# Altium PCB display.PcbDoc (part 2 of 5) (continued)
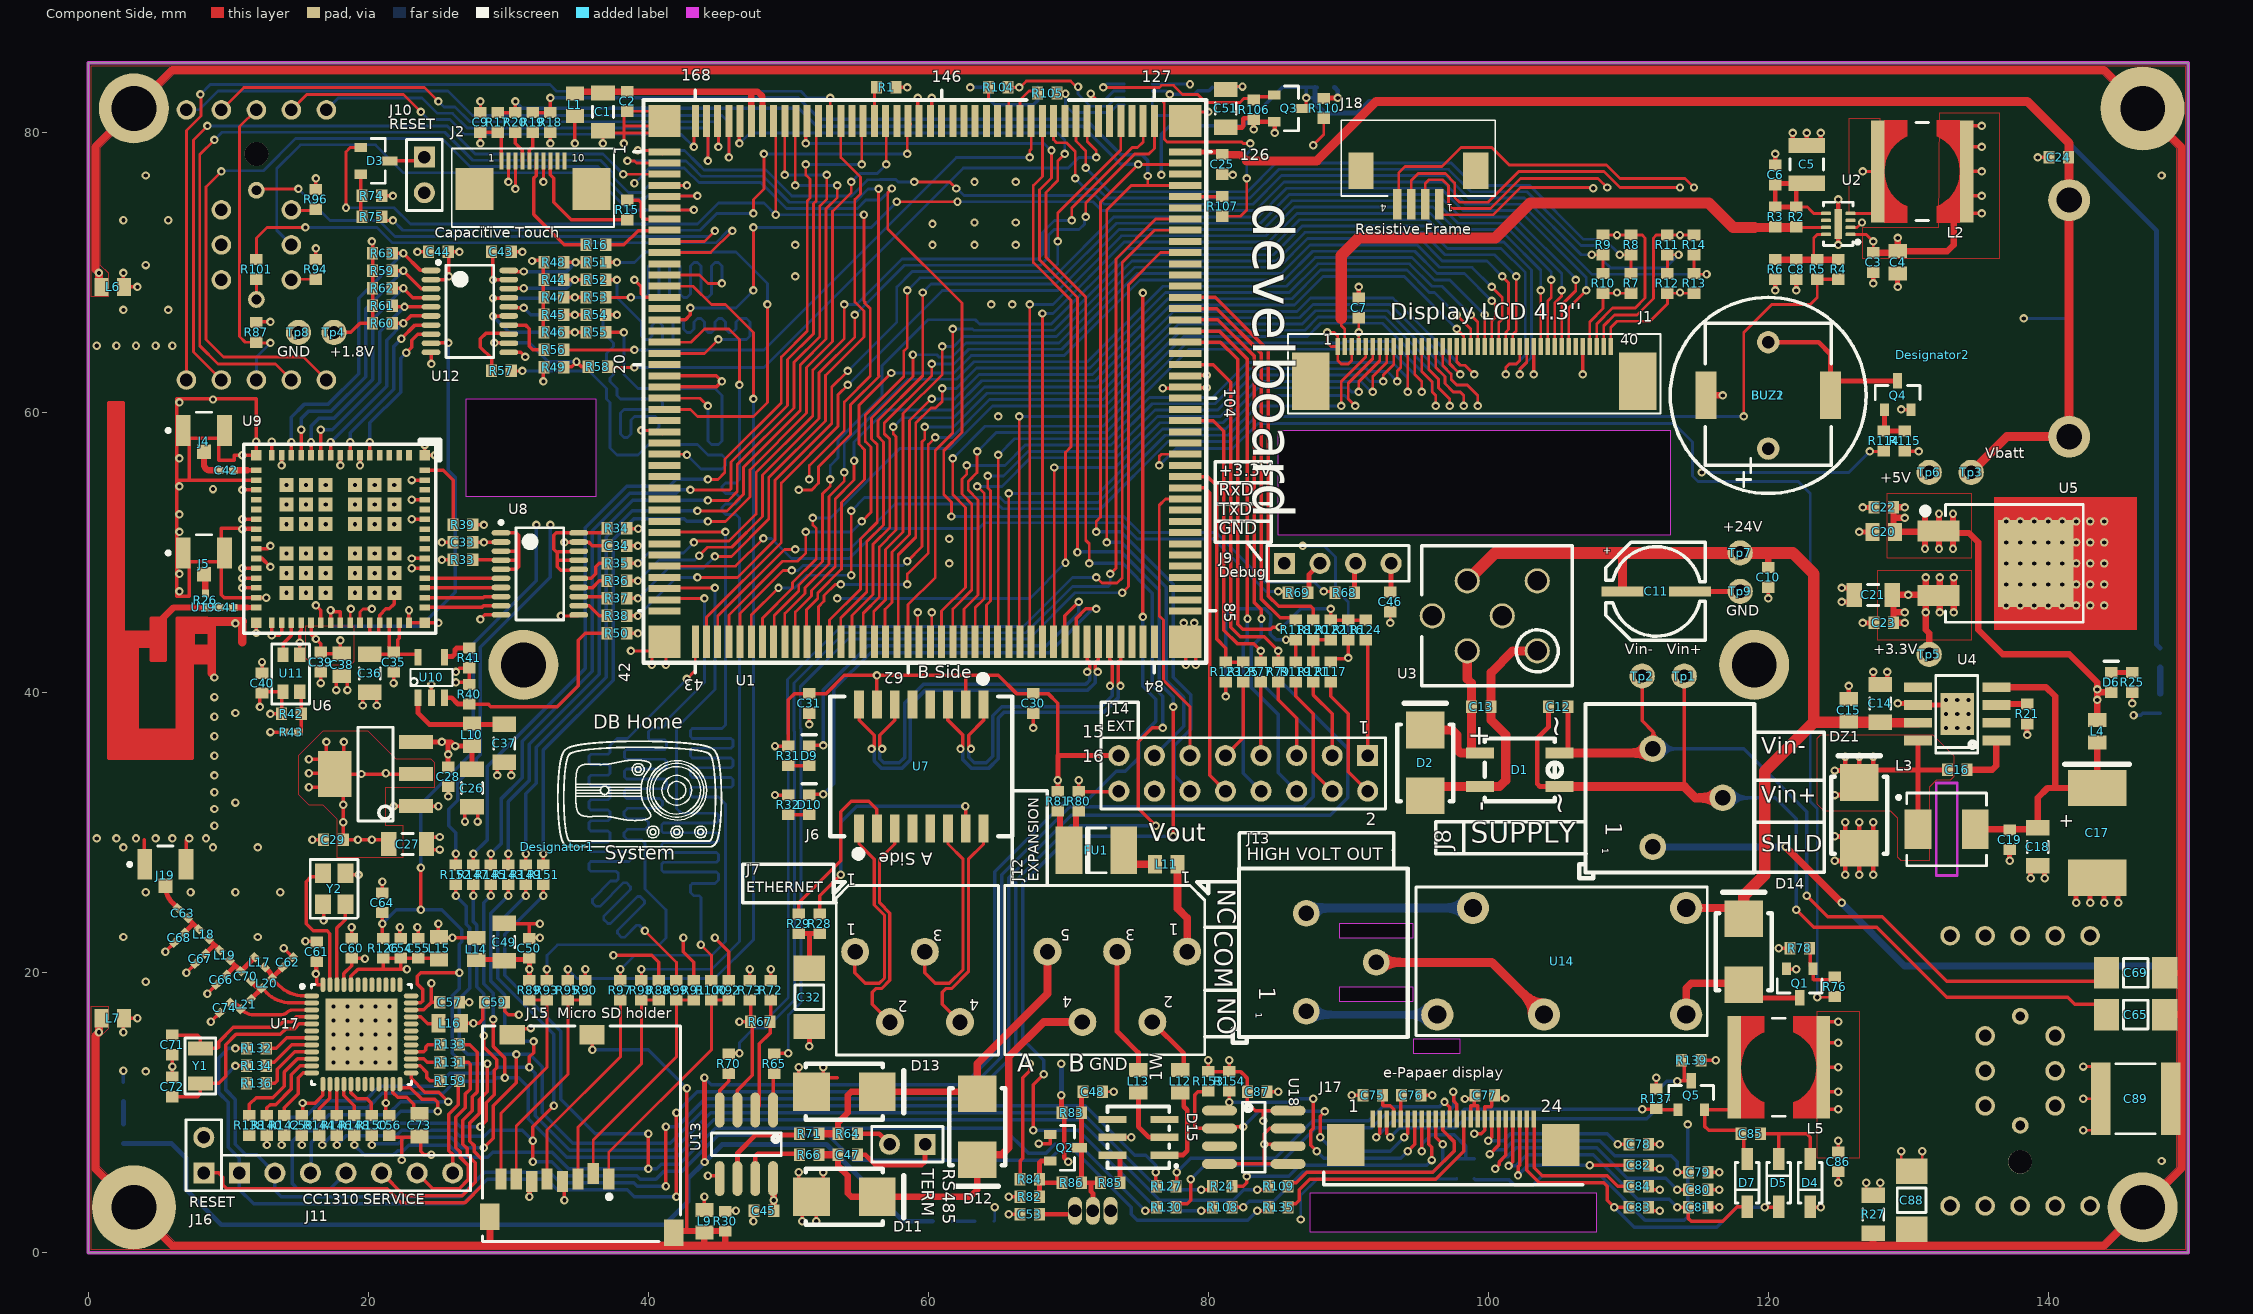
[diagram p0: Component Side view]
## Part data (continued)
Y1: library part CRYSTAL, "CRYSTAL, RESONATOR, 32.768kHz, -20PPM/+20PPM, -40DEGC/+85DEGC, SMD", Capacitance=7pF, Manufacturer=EPSON, Max Oper Temp=+85DEGC, Min Oper Temp=-40DEGC, MPN="FC-135 32.7680KA-AG0", MPN Status=ACTIVE, Part Number=12-00546, ALT_SYMBOLS=XTAL_FC-135L,XTAL_FC-135M, AutoDoc File=http://notefied-dynamic-precision.com/DB/Apps/Desktop/Item/Object.aspx?id=91966, Budget Currency=USD, Budget Price=1.25375, Datasheet URL 1=http://www.eea.epson.com/portal/pls/portal/docs/1/1525528.PDF, Datasheet URL 2=http://www.eea.epson.com/portal/pls/portal/docs/1/1525451.PDF, Definied Quality=INDUSTRIAL, Esd Level=N/A, FPLIST=XTAL_FC-135N,XTAL_FC-135L,XTAL_FC-135M, Frequency=32.768kHz, Last Time Buy=N/A, Lead Time=10, Max Tol=+20PPM, Min Tol=-20PPM, Mounting Type=SMD, MSL=N/A, MTBF=N/A, MTBF Standard=N/A, NOTE Status=PREFERRED, Old Footprint=XTAL_FC-135N, Packing Size=1000, Packing Type=TAPE_&_REEL, Part Type=CRYSTAL\OSCILLATOR\MEMS, Revision=R001, RoHS Status=ROHS_COMPLIANT, WEIGHT=N/A
Y2: library part CRYSTAL-4p, "Crystal"

## Free pads (board coordinates)
  round 6 hole 3.2: HOLE(3.25,3.25) HOLE(146.75,81.75)
  round 5 hole 3.2: HOLE(3.25,81.75) HOLE(31.071,42) HOLE(119,42) HOLE(146.75,3.25)

## Via types
v1: diameter 0.6, hole 0.3, Component Side to Bottom Layer, 795 vias

## Nets (pads, with @x,y where several pads share a name; then routed paths per layer and width w, separated by ;. In a path a pad name is that pad's centre, name@x,y a point inside that pad or via, vN(x,y) a via of type N, cw(c..) or ccw(c..) an arc to the next point about the centre after c; other vN are vias at no path point)
1-wire-temp: C48.1 Q2.3 R83.1 R85.1 R86.2 U16.2 | length 9.9
  Component Side w0.35: C48.1@71.05,11.5 70.95,11.4 R83.1@70.95,10 70.95,5 71.625,5 ; U16.2@71.75,3 71.75,4.25 71.625,4.375 71.625,5 ; R85.1@72.3,5 71.625,5
+1.8V: C27.1 C29.2 C33.2 C38.2 C39.2 C40.2 C44.2 R42.1 R59.1 R60.1 R61.1 R62.1 R63.1 Tp4.1 U6.2 U6.4 U8.2 U8.10 U9.38 U11.4 U12.2 U12.10 | length 121.4
  Component Side w0.25: v1(12.25,39) 12.25,39.85 C40.2@12.4,40 12.475,40.075 U11.4@13.9,40.075 13.8,39.975 R42.1@13.8,38.5 v1(13,38.5) ; v1(15.75,33.25) U6.4@17.95,33.25 ; v1(15.75,34.25) U6.4@17.55,34.25 ; v1(15.75,35.25) U6.4@17,35.25 ; U9.38@15.9,45.025 15.9,44.2 v1(16.25,43.85) 16.6,43.5 C39.2@16.6,42.9 16.7,42.8 C38.2@18.1,42.8 18,42.9 v1(18,43.75) ; U6.4@17,34.3 U6.4@17,35.25 ; v1(17,36.5) U6.4@17,35.25 ; U6.4@17.5,34.3 U6.4@17.55,34.25 ; Tp4.1@17.54,65.75 18.75,65.75 19.4,66.4 R60.1@20.3,66.4 R61.1@20.3,67.65 R62.1@20.3,68.9 R59.1@20.3,70.15 R63.1@20.3,71.4 20.3,72.2 v1(20.25,72.25) ; U6.4@17.95,34.25 U6.4@17.55,34.25 ; U6.4@17.95,35.25 U6.4@17,35.25 ; U6.4@18.25,34.3 v1(18.25,36.5) ; C27.1@21.45,29.2 21.15,29.5 C29.2@18.2,29.5 v1(18.2,32) 18.2,33.6 U6.4@17.6,34.2 ; U6.2@23.4,34.2 U6.4@17.6,34.2 ; U12.10@24.475,64.325 24.475,63.525 v1(24.5,63.5) ; U12.2@24.475,69.525 25.525,69.525 v1(25.75,69.75) 25.75,71.45 C44.2@25.7,71.5 v1(26.5,71.5) ; C33.2@27.45,50.75 v1(28.25,50.75) U8.2@29.45,50.75 ; v1(28,45.25) 28.325,45.575 U8.10@29.475,45.575 ; U6.4@17.55,34.25 U6.4@17.6,34.2
  Inner w0.25: v1(13,38.5) 15.75,38.5 ; v1(15.75,35.25) 15.75,38.5 ; v1(20.25,72.25) 20.25,65.75 23.5,62.5 25.375,62.5 ; v1(24.5,63.5) 25.375,62.625 25.375,62.5 ; v1(25.75,69.75) 26.375,69.125 ; v1(26.5,71.5) 26.375,71.375 26.375,69.125 ; v1(28.25,50.75) 26.25,50.75 ; 15.75,38.5 15.75,42 16.25,42.5 v1(16.25,43.85) 26.6,43.85 v1(28,45.25) 26.25,47 26.25,50.75 ; 25.375,62.5 25.75,62.125 25.75,55.75 26.25,55.25 26.25,50.75 ; 25.375,62.5 26.375,63.5 26.375,69.125
  other v1: 19.25,29.5 20.25,29.5 18.2,30.75 19.5,34.2 21.25,34.25
+3.3V: C7.1 C9.1 C21.1 C23.2 C26.1 C28.2 C30.2 C31.2 C34.2 C43.2 C45.2 C46.1 C52.2 C77.1 C86.1 C87.1 J1.4 J2.1 J9.4 J14.15 J17.15 J17.16 L1.1 L5.1 L10.2 L14.1 L15.2 Q2.1 R17.1 R18.1 R22.2 R31.2 R32.2 R44.1 R45.1 R46.1 R47.1 R48.1 R74.1 R81.2 R82.2 R87.1 R96.1 R102.1 R103.1 R153.1 R154.1 Tp5.1 U5.3 U6.3 U7.10 U7.15 U8.19 U12.19 U13.8 U15.2 U18.8 | length 627.5
  Component Side w0.2: J1.4@90.75,64.74 C7.1@90.75,66.8
  Component Side w0.25: R87.1@12,66.45 12.05,66.5 v1(13,66.5) ; R96.1@16.25,75.95 v1(16.25,76.75) ; R74.1@20.95,75.5 v1(21.75,75.5) ; v1(25,23.5) 25,22.6 L15.2@25.05,22.55 ; L15.2@25.1,22.5 L14.1@27.7,22.5 ; v1(28,79.25) C9.1@28,80.05 R17.1@29.25,80.05 29.5,79.8 J2.1@29.5,77.99 ; C43.2@28.8,71.5 28.9,71.4 v1(28.9,69.5) U12.19@29.9,69.5 ; v1(31.693,70.85) 31.741,70.898 32.402,70.898 R48.1@32.5,70.8 ; R46.1@32.55,65.75 32.5,65.8 R48.1@32.5,70.8 ; R48.1@32.55,70.75 R48.1@32.5,70.8 ; v1(33,79.25) R18.1@33,80.05 ; v1(34,50.75) 34.025,50.775 U8.19@35.025,50.775 35.725,50.775 36,50.5 C34.2@37.05,50.5 ; v1(34.75,79.25) L1.1@34.75,81.2 ; v1(48.95,3.75) C45.2@48.95,3 C45.2@49,2.95 ; v1(49.05,32.7) R32.2@50,32.7 ; v1(49.05,36.2) R31.2@50,36.2 50,39.5 50.45,39.95 C31.2@51.5,39.95 52.7,39.95 54,41.25 v1(56.325,41.25) ; U7.15@56.325,39.18 v1(56.325,41.25) ; U7.10@62.675,39.18 62.675,41.175 62.75,41.25 ; v1(65.75,4) R82.2@66.55,4 ; v1(67.893,7.8) 68.712,7.8 Q2.1@68.712,8.45 ; 69.25,35.5 69.25,39.25 68.55,39.95 C30.2@67.5,39.95 66.3,39.95 65,41.25 62.75,41.25 ; v1(80,13.75) R153.1@80,12.95 R154.1@81.5,12.95 ; v1(81.5,13.75) R154.1@81.5,12.95 ; v1(83.926,9.425) 83.926,10.081 84,10.155 ; U18.8@85.7,10.155 84,10.155 ; v1(98.331,10.987) 98.275,10.987 98.275,11.025 98.3,11 C77.1@99,11 ; J17.15@98.75,9.56 98.75,10.5 99,10.5 ; C77.1@99.05,11.25 99,11.2 99,10.5 ; J17.16@99.25,9.56 99.25,10.5 99,10.5 ; L5.1@123.925,10.25 v1(125,10.25) ; L5.1@123.925,11.5 v1(125,11.5) ; L5.1@123.925,13.25 v1(125,13.25) ; L5.1@123.925,15 v1(125,15) ; L5.1@123.925,16.5 v1(125,16.5) ; C86.1@125,7.2 v1(125,8) ; v1(56.325,41.25) 62.75,41.25 ; R154.1@81.5,12.95 82.3,12.95 82.8,12.45 C87.1@82.8,11.5 82.8,10.7 83.345,10.155 84,10.155
  Component Side w0.35: U6.3@23.4,36.5 v1(25.25,36.5) 25.7,36.5 ; C28.2@25.7,34.7 v1(25.7,35.6) 25.7,36.5 ; C26.1@27.4,34.55 L10.2@27.4,36.2 v1(26.2,36.2) 25.9,36.5 25.7,36.5 ; U13.8@48.905,4.55 U13.8@48.905,5.3 ; R81.2@69.25,32.95 69.25,35 69.25,35.5 69.27,35.52 J14.15@73.61,35.52 ; C46.1@93,47.2 93.06,47.26 J9.4@93.06,49.25
  Component Side w0.45: U13.8@48.905,5.3 48.95,5.255 C45.2@48.95,3 ; v1(129.75,45) C23.2@128.95,45 128.95,45.75 ; v1(129.75,45.75) 128.95,45.75 ; U5.3@131.25,46.875 v1(131.25,45.75) 131.25,44.5 131.5,44.25 Tp5.1@131.5,42.75 ; U5.3@131.25,47.125 v1(131.25,48.25) ; U5.3@132.125,47 v1(130,47) C21.1@128.85,47 128.95,46.9 128.95,45.75 ; v1(132.25,45.75) U5.3@132.25,46.875 ; U5.3@132.25,47.125 v1(132.25,48.25) ; v1(133.25,45.75) U5.3@133.25,46.875 ; U5.3@133.25,47.125 v1(133.25,48.25)
  Inner w0.25: v1(13,66.5) 13.02,66.5 16.925,70.405 16.925,76.075 v1(16.25,76.75) 20.5,76.75 v1(21.75,75.5) 22.645,74.605 26.105,74.605 28,76.5 v1(28,79.25) 31.75,79.25 ; v1(25,23.5) 26,24.5 48.6,24.5 49.05,24.95 ; v1(28.9,69.5) 30.225,70.825 31.668,70.825 v1(31.693,70.85) ; 35.25,36.2 35.25,49.5 v1(34,50.75) 33.425,51.325 31.72,51.325 31.325,51.72 31.325,52.28 32.295,53.25 37.5,53.25 38.25,54 38.25,63 36.5,64.75 33,64.75 32.775,64.975 32.775,69.768 v1(31.693,70.85) ; v1(48.95,3.75) 50.75,3.75 51,4 v1(65.75,4) 67,4 67.893,4.893 v1(67.893,7.8) 68.5,8.407 68.5,12.075 ; v1(49.05,36.2) v1(49.05,32.7) 49.05,24.95 ; v1(63,83.25) 63,81.75 ; v1(77.25,82.75) 78,82 78,81.75 ; J9.4@93.06,49.25 93.06,48 84,48 83.25,48.75 83.25,64.5 ; v1(98.331,10.987) 98.331,10.081 98.25,10 ; v1(31.693,70.85) 31.693,79.193 31.75,79.25 ; 31.75,79.25 v1(33,79.25) v1(34.75,79.25) 35.5,80 40.75,80 43.425,77.325 49.12,77.325 50.37,78.575 56.825,78.575 57.5,79.25 62,79.25 63,80.25 63,81.75 ; 49.05,24.95 51.75,22.25 51.75,17 55.25,13.5 63.25,13.5 64.675,12.075 68.5,12.075 ; 63,81.75 78,81.75 ; 68.5,12.075 69.575,12.075 71.25,13.75 v1(80,13.75) v1(81.5,13.75) 83.926,11.324 v1(83.926,9.425) 84.751,10.25 87.25,10.25 87.25,10.22 88.045,9.425 88.605,9.425 89.18,10 98.25,10 ; 78,81.75 78,68.75 82.25,64.5 83.25,64.5 ; 83.25,64.5 89.5,64.5 v1(90.75,65.75) 96.25,65.75 97,65 113.75,65 113.75,60.25 124.5,49.5 127.75,49.5 129,48.25 129,46.5 v1(129.75,45.75) v1(129.75,45) 129.75,44.5 128.5,43.25 125,43.25 123,41.25 123,32.25 123.5,31.75 123.5,21.5 125,20 v1(125,16.5) v1(125,15) v1(125,13.25) v1(125,11.5) v1(125,10.25) v1(125,8) 123.825,9.175 v1(114.25,9.175) 111.12,9.175 110.295,10 98.25,10
  Inner w0.35: v1(26.2,36.2) 35.25,36.2 v1(49.05,36.2)
  Bottom Layer w0.2: U15.2@76,83 77,83 v1(77.25,82.75)
  Bottom Layer w0.25: v1@63,83.25 R103.1@64.3,83.25 ; R103.1@64.25,83.2 R103.1@64.3,83.25 ; R102.1@67.8,83.25 67.8,82.3 67.5,82 64.75,82 64.3,82.45 R103.1@64.3,83.25 ; v1(77.25,82.75) 79,82.75 79.25,83 80.05,83 C52.2@80.3,83.25 ; R22.2@99,5.3 99.1,5.2 101.495,5.2 101.842,4.853 103.212,4.853 103.858,5.5 108.025,5.5 111.2,2.325 114,2.325 114.25,2.575 v1(114.25,9.175)
  other v1: 26,22.5 69.25,33.75
+3.3v_mod: C1.1 C2.1 L1.2 U1.162 U1.163 | length 17.5
  Component Side w0.45: L1.2@34.75,82.8 34.9,82.95 C2.1@38.5,82.95 47.35,82.95 ; U1.163@47.35,80.85 47.35,82.95 ; U1.162@48.15,80.85 48.15,82.6 47.8,82.95 47.35,82.95
+5V: BUZ1.1 BUZ2.1 C3.2 C4.2 C20.1 C22.2 C51.1 C53.2 D6.1 J14.16 L2.2 L4.1 Q3.2 R80.2 R83.2 R106.1 Tp6.1 U2.1 U5.1 U16.3 | length 341.1
  Component Side w0.2: U2.1@125.875,72.75 127,72.75 v1(127.5,72.25) C3.2@127.5,71.45
  Component Side w0.25: v1(70.75,33.75) R80.2@70.75,32.95 73.58,32.95 J14.16@73.61,32.98 ; L2.2@134.175,74.25 v1(135.25,74.25) ; L2.2@134.175,75.5 v1(135.25,75.5) ; L2.2@134.175,77.25 v1(135.25,77.25) ; L2.2@134.175,79 v1(135.25,79) ; L2.2@134.175,80.5 v1(135.25,80.5)
  Component Side w0.35: C53.2@67.95,2.75 70.23,2.75 U16.3@70.48,3 ; v1(69.5,11.25) 69.5,10.05 R83.2@69.55,10 69.712,9.837 69.712,6.787 v1(70,6.5) ; C51.1@81.25,80.4 82.4,80.4 82.5,80.5 82.5,81 82.55,81.05 R106.1@83.25,81.05 ; v1(83.25,80.25) R106.1@83.25,80.95 R106.1@83.25,81.05 ; v1(84.75,80) 84.75,80.762 Q3.2@84.712,80.8 83.5,80.8 R106.1@83.25,81.05
  Component Side w0.45: BUZ2.1@115.5,61.3 BUZ2.1@115.55,61.25 v1(116.75,61.25) ; C3.2@127.5,71.45 129.15,71.45 C4.2@129.25,71.55 ; v1(129.25,72.5) C4.2@129.25,71.55 ; v1(129.75,52.5) 128.95,52.5 C22.2@128.95,53.25 ; v1(129.75,53.25) C22.2@128.95,53.25 ; v1(131.2,50.3) U5.1@131.2,51.425 ; U5.1@131.2,51.675 v1(131.2,52.8) ; U5.1@132.175,51.55 132.125,51.5 C20.1@129.05,51.5 128.95,51.6 C22.2@128.95,53.25 ; v1(132.2,50.3) 132.2,51.425 U5.1@133.2,51.425 ; U5.1@132.2,51.675 v1(132.2,52.8) ; v1(133.2,50.3) U5.1@133.2,51.425 ; U5.1@133.2,51.675 v1(133.2,52.8) ; 133.25,74.5 133.25,72 132.8,71.55 C4.2@129.25,71.55 ; L4.1@143.5,38.05 v1@143.5,40 ; D6.1@144.5,40.05 143.55,40.05 v1@143.5,40 ; U5.1@133.2,51.425 134.325,51.425 135,50.75 135,44.5 136.75,42.75 141.5,42.75 143.5,40.75 v1@143.5,40
  Inner w0.35: v1(69.5,13.5) 70.3,14.3 78.25,14.3 80.014,16.064 80.014,25.986 79.25,26.75 75,26.75 73.61,28.14 J14.16@73.61,32.98 ; v1(70,6.5) 70,5.25 70.48,4.77 U16.3@70.48,3
  Inner w0.45: v1(70,6.5) 70.125,6.625 86,6.625 87.375,5.25 96.25,5.25 98.125,7.125 98.125,8.862 98.637,9.375 100.375,9.375 101,8.75 101,7.5 101.375,7.125 108.638,7.125 108.888,6.875 109.612,6.875 116.612,6.875 117.237,6.25 136.235,6.25 137.41,5.075 143.075,5.075 147,9 147,39.5 146.25,40.25 v1(143.5,40.25) ; v1(83.25,80.25) 84.5,80.25 v1(84.75,80) 89.75,80 92,82.25 133.5,82.25 v1(135.25,80.5) v1(135.25,79) v1(135.25,77.25) v1(135.25,75.5) v1(135.25,74.25) 135.25,72.75 135,72.5 v1(129.25,72.5) 127.75,72.5 v1(127.5,72.25) 125.75,70.5 125.75,55.5 ; v1(116.75,61.25) 119,61.25 120,60.25 BUZ1.1@120,57.45 121.55,57.45 123.5,55.5 125.75,55.5 ; v1(129.75,52.5) v1(129.75,53.25) 129.75,55 129.25,55.5 125.75,55.5 ; Tp6.1@131.5,55.75 131.5,54.25 132.2,53.55 v1(132.2,52.8)
  Bottom Layer w0.35: v1(69.5,11.25) v1(69.5,13.5)
  other v1: 143.5,39.5
+5v_out: C17.1 C18.1 C19.2 L3.2 L4.2 U4.4 | length 25.5
  Component Side w0.45: L3.2@134.8,30.25 139.15,30.25 C18.1@139.25,30.35 139.25,32.5 139.95,33.2 140.5,33.2 ; U4.4@136.3,40.405 139.845,40.405 140.5,39.75 140.5,33.2 ; L4.2@143.5,36.45 C17.1@143.5,33.2 140.5,33.2
+24V: C10.2 C11.1 C14.1 C15.1 D14.1 Tp7.1 U3.3 U4.7 U14.T2 | length 68.6
  Component Side w0.45: U3.3@98.45,47.95 U3.3@98.5,48 ; C10.2@120,48.95 120,50
  Component Side w0.55: U14.T2@114.14,24.635 117.464,24.635 118,24.099 D14.1@118.25,23.85
  Component Side w0.65: C11.1@109.6,47.25 109.6,49.85 109.75,50 ; C14.1@128,37.9 128.035,37.865 U4.7@130.7,37.865
  Component Side w0.85: U3.3@98.5,48 100.5,50 109.75,50 Tp7.1@118,50 120,50 121.75,50 123.25,48.5 123.25,37.9 ; D14.1@118,24.099 118.25,24.349 118.25,25.5 119.75,27 119.75,34.4 123.25,37.9 ; C14.1@128,37.9 123.25,37.9
BOOT_RECOVERY: R1.2 U1.152 | length 2.7
  Component Side w0.2: U1.152@56.15,80.6 U1.152@56.15,80.85 56.15,83.1 R1.2@56.3,83.25
BT_CTS: R38.2 U8.12 | length 2.3
  Component Side w0.25: U8.12@35.025,46.225 35.775,46.225 36.5,45.5 R38.2@37.05,45.5
BT_RTS: R37.2 U8.13 | length 2.1
  Component Side w0.25: U8.13@35.025,46.875 36.925,46.875 R37.2@37.05,46.75
BT_RXD: R36.2 U8.14 | length 2.2
  Component Side w0.25: U8.14@35.025,47.525 36.025,47.525 36.5,48 R36.2@37.05,48
BT_TXD: R35.2 U8.15 | length 2.8
  Component Side w0.25: U8.15@35.025,48.175 35.925,48.175 36.25,48.5 36.25,49 36.5,49.25 R35.2@37.05,49.25
BUZZER: R114.2 R116.1 R117.2 | length 71
  Component Side w0.2: v1(127.25,57.25) 128.2,57.25 R114.2@128.25,57.3
  Component Side w0.25: R117.2@88.75,42.45 89.95,42.45 v1(90,42.5) ; v1(90,42.5) R116.1@90,43.8
  Inner w0.2: v1(86.75,50.5) 84.5,50.5 84,51 84,58.75 84.5,59.25 113.25,59.25 115.25,57.25 v1(115.25,55.75)
  Bottom Layer w0.2: v1(86.75,50.5) 88.286,50.5 89.08,49.706 89.08,47.42 90,46.5 v1(90,42.5) ; v1(115.25,55.75) 125.75,55.75 v1(127.25,57.25)
CC1310_CS: R127.2 R150.2 R152.1 | length 88.1
  Component Side w0.25: v1(20.25,7.7) R150.2@20.25,8.4 ; v1(26.25,25.5) R152.1@26.25,26.3 ; v1(28.25,7.5) 28.927,8.177 28.927,10.5 30.575,12.148 v1(30.575,14.175) ; v1(76.25,5.75) 76.25,4.8 R127.2@76.3,4.75
  Bottom Layer w0.25: v1(20.25,7.7) 20.35,7.8 22.133,7.8 22.583,8.25 25.897,8.25 26.647,7.5 v1(28.25,7.5) ; v1(26.25,25.5) 27,24.75 27,23.457 27.25,23.207 27.25,18.905 26.5,18.155 26.5,14.75 27.075,14.175 v1(30.575,14.175) 31.53,14.175 32.414,13.29 32.414,10 34.589,7.825 41.575,7.825 44.25,10.5 71.207,10.5 74.75,6.957 75.543,6.957 76.25,6.25 v1(76.25,5.75)
CC1310_MISO: R144.2 R147.1 | length 31.2
  Component Side w0.25: v1(16.7,7.7) R144.2@16.7,8.4 ; v1(27.5,25.5) R147.1@27.5,26.3 ; v1(28,9) 28.427,9.427 28.427,10.707 29,11.28 29,13.045 29.175,13.22 29.175,13.78 28.25,14.705 v1(28.25,15.5)
  Bottom Layer w0.25: v1(16.7,7.7) 17.875,8.875 21.794,8.875 22.169,9.25 26.312,9.25 26.562,9 v1(28,9) ; v1(27.5,25.5) 27.5,23.664 27.75,23.414 27.75,19 28.25,18.5 v1(28.25,15.5)
CC1310_MOSI: R135.2 R146.2 R149.1 | length 96.7
  Component Side w0.25: v1(17.75,7.7) R146.2@17.75,8.4 ; v1(31.25,25.5) R149.1@31.25,26.3 ; v1(31.75,6.5) v1(31.75,8) 31.75,9 v1(33.25,10.5) ; v1(83.5,3) R135.2@84.3,3
  Bottom Layer w0.25: v1(17.75,7.7) 18.425,8.375 22.001,8.375 22.376,8.75 26.105,8.75 26.53,8.325 28.28,8.325 28.705,8.75 31,8.75 v1(31.75,8) ; v1(31.25,25.5) 29.25,23.5 29.25,19.621 33.25,15.621 v1(33.25,10.5) ; v1(31.75,6.5) 33.086,6.5 34.086,5.5 39.164,5.5 39.414,5.25 40.543,5.25 41.118,5.825 42.403,5.825 44.975,8.396 52.854,8.396 54.625,6.625 68.625,6.625 69.25,7.25 70.507,7.25 74.5,3.257 74.5,2.75 74.925,2.325 82.825,2.325 v1(83.5,3)
CC1310_PIN0: R24.2 R140.2 R143.1 | length 94.6
  Component Side w0.25: v1(12.75,7.7) R140.2@12.75,8.4 ; v1(30,25.5) R143.1@30,26.3 ; v1(31.5,13.25) 31.5,14 31.8,14.3 v1(31.8,15.1) ; v1(79.5,4.5) R24.2@80.3,4.5
  Bottom Layer w0.25: v1(12.75,7.7) 12.75,8.45 14,9.7 15.493,9.7 16.668,10.875 19.763,10.875 20.788,11.9 24.9,11.9 25.825,12.825 28.78,12.825 29.205,13.25 v1(31.5,13.25) 31.914,12.836 31.914,9.793 34.382,7.325 41.782,7.325 44.457,10 71,10 76.5,4.5 v1(79.5,4.5) ; v1(30,25.5) 28.75,24.25 28.75,19.414 29.75,18.414 29.75,15.35 30,15.1 v1(31.8,15.1)
CC1310_PIN1: R109.2 R142.2 R145.1 | length 95.1
  Component Side w0.25: v1(28.75,25.5) R145.1@28.75,26.3 ; v1(28.925,16.675) 28.925,14.737 29.75,13.912 v1(29.75,12.5) ; v1(83.5,4.5) R109.2@84.3,4.5
  Bottom Layer w0.25: v1(13.8,7.7) 13.8,8.5 14.5,9.2 15.7,9.2 16.875,10.375 19.97,10.375 20.995,11.4 25.345,11.4 26.195,12.25 28.912,12.25 29.162,12.5 v1(29.75,12.5) 30.75,12.5 31.414,11.836 31.414,9.586 34.175,6.825 41.989,6.825 44.664,9.5 70.793,9.5 76.543,3.75 81.795,3.75 82.545,4.5 v1(83.5,4.5) ; v1(28.75,25.5) 28.25,25 28.25,19.207 28.925,18.532 v1(28.925,16.675)
CC1310_RESET: C64.2 D3.1 J16.1 R126.2 U1.161 U17.35 | length 181.4
  Component Side w0.2: v1(18.4,74.65) 18.4,78.65 18.7,78.95 D3.1@19.462,78.95 ; U1.161@48.95,80.85 49.1,80.7 v1(49.1,74.15) ; v1(51.5,55.25) 51.5,56.25 54,58.75 54,60.773 55.85,62.623 55.85,67.456 55.45,67.856 55.5,67.906 55.4,68.005 v1(55.4,74.15)
  Component Side w0.25: J16.1@8.24,5.7 9.3,5.7 9.6,5.4 9.6,4.85 9.875,4.575 21.358,4.575 22.358,3.575 26.9,3.575 28.145,4.82 28.145,6.65 27.575,7.22 27.575,7.632 27.25,7.957 27.25,9.274 27.927,9.951 27.927,10.933 28.5,11.505 v1(28.5,13.5) ; C64.2@21,24.3 21,22.5 R126.2@21.05,22.45 ; U17.35@23.05,17.85 23.75,17.85 23.9,18 23.9,18.8 23.5,19.2 23.5,19.75 23.75,20 v1(26.5,20) ; v1(23.75,24.5) v1(23.75,27.5)
  Inner w0.25: v1(32,52) 32.75,52.75 33.5,52.75 33.75,52.5 38.293,52.5 41.718,55.925 44.53,55.925 45.205,55.25 v1(51.5,55.25)
  Bottom Layer w0.2: v1(18.4,74.65) 21.85,74.65 23,73.5 43.5,73.5 45,75 48.25,75 v1(49.1,74.15) v1(55.4,74.15)
  Bottom Layer w0.25: v1(21,23.5) 22,24.5 v1(23.75,24.5) 25.25,24.5 26.675,23.075 26.675,22.22 26.5,22.045 v1(26.5,20) 26.5,18.862 26,18.362 26,14.25 26.75,13.5 v1(28.5,13.5) ; v1(23.75,27.5) 23.75,32.043 27.5,35.793 27.5,43.5 32,48 v1(32,52)
CC1310_RXD: J11.1 R77.1 R132.2 U1.102 | length 146.7
  Component Side w0.25: v1(10.5,14.6) R132.2@11.3,14.6 ; v1(42,4) v1(42,10) ; U1.102@78.35,59.45 80.346,59.45 81.1,58.696 81.1,44.486 82.086,43.5 83.25,43.5 v1(83.75,43) R77.1@83.75,42.45
  Bottom Layer w0.25: v1(10.5,14.6) 10,14.6 9.325,13.925 9.325,11.418 10,10.743 10,7.538 10.78,6.758 J11.1@10.78,5.7 10.78,4.52 11.8,3.5 26.75,3.5 28.5,5.25 32.75,5.25 33.5,4.5 38.5,4.5 39,4 v1(42,4) ; v1(42,10) 43.5,11.5 62.75,11.5 65.25,14 65.25,27 70.105,31.855 86.776,31.855 87.5,32.579 87.5,37 83.75,40.75 v1(83.75,43)
CC1310_SCLK: R130.2 R148.2 R151.1 | length 91.7
  Component Side w0.25: v1(19,7.7) R148.2@19,8.4 ; v1(32.5,25.5) R151.1@32.5,26.3 ; v1(40,6) v1(40,8.5) ; v1(75.5,3) 76.05,3 R130.2@76.3,3.25
  Bottom Layer w0.25: v1(19,7.7) 19.7,7 21.795,7 22.095,7.3 22.5,7.3 22.875,7.675 25.765,7.675 26.615,6.825 28.53,6.825 28.88,7.175 33.118,7.175 34.293,6 v1(40,6) 40.586,6 40.911,6.325 42.196,6.325 44.768,8.896 65.354,8.896 67.125,7.125 68.418,7.125 69.043,7.75 70.75,7.75 v1(75.5,3) ; v1(32.5,25.5) 29.75,22.75 29.75,19.828 33.75,15.828 33.75,10.955 36.205,8.5 v1(40,8.5)
CC1310_SWO: J11.5 R133.1 | length 19.4
  Component Side w0.25: J11.5@20.94,5.7 22.565,4.075 26.693,4.075 27.645,5.027 27.645,6.443 27.075,7.013 27.075,7.425 26.75,7.75 26.75,9.481 27.427,10.159 27.427,11.14 27.775,11.488 27.775,14.325 27.25,14.85 R133.1@26.45,14.85
CC1310_TCK: J11.4 U17.25 | length 23.6
  Component Side w0.25: U17.25@23.05,12.85 23.05,12.457 24.032,11.475 25.025,11.475 v1(25.7,10.8)
  Bottom Layer w0.25: J11.4@18.4,5.7 17.2,4.5 15,4.5 14.575,4.925 14.575,7.98 15.295,8.7 16.038,8.7 17.213,9.875 21.379,9.875 22.305,10.8 v1(25.7,10.8)
CC1310_TDI: J11.6 R131.1 | length 14.3
  Component Side w0.25: J11.6@23.48,5.7 24.605,4.575 26.486,4.575 27.145,5.234 27.145,6.236 26.575,6.806 26.575,7.175 26.25,7.5 26.25,9.688 26.927,10.366 26.927,11.347 27.275,11.695 27.275,13.475 27.15,13.6 R131.1@26.5,13.6 R131.1@26.45,13.6
CC1310_TDO: J11.7 R159.2 | length 7.1
  Component Side w0.25: J11.7@26.02,5.7 26.02,7.023 25.75,7.293 25.75,9.895 26.427,10.573 26.427,12.327 R159.2@26.45,12.35
CC1310_TMS: J11.3 U17.24 | length 16.2
  Component Side w0.25: U17.24@22.25,12.05 22.25,11.8 23,11.8 23.825,10.975 24.725,10.975 24.95,10.75 v1(24.95,10.112)
  Bottom Layer w0.25: J11.3@15.86,5.7 15.925,5.765 15.925,7.879 17.42,9.375 21.587,9.375 22.323,10.112 v1(24.95,10.112)
CC1310_TXD: J11.2 R79.1 R134.2 U1.107 | length 149.9
  Component Side w0.25: v1(10.5,13.35) R134.2@11.3,13.35 ; v1(41.25,4.75) v1(41.25,9) ; U1.107@78.35,63.45 80.35,63.45 81.6,62.2 81.6,44.693 82.293,44 84,44 v1(85,43) R79.1@85,42.45
  Bottom Layer w0.25: v1(10.5,13.35) 9.825,12.675 9.825,11.625 10.5,10.95 10.5,7.745 11.245,7 12.02,7 J11.2@13.32,5.7 13.32,4.463 13.783,4 26.543,4 28.293,5.75 32.957,5.75 33.707,5 38.957,5 39.207,4.75 v1(41.25,4.75) ; v1(41.25,9) 42.043,9 44.043,11 62.957,11 65.75,13.793 65.75,26.793 70.207,31.25 88.711,31.25 89.975,32.514 89.975,36.025 85,41 v1(85,43)
clk: U9.8 U12.7 | length 12.4
  Component Side w0.25: U9.8@18.7,56.975 v1(18.7,57.9) ; v1(22.357,65.3) 23.332,66.275 U12.7@24.475,66.275
  Bottom Layer w0.25: v1(18.7,57.9) 18.7,58.593 21.8,61.693 21.8,64.743 v1(22.357,65.3)
cmd: U9.6 U12.8 | length 11
  Component Side w0.25: U9.6@20.1,56.975 v1(20.1,57.9) ; v1(22.7,64.3) 23.1,64.7 23.1,65.2 23.525,65.625 U12.8@24.475,65.625
  Bottom Layer w0.25: v1(20.1,57.9) 20.1,59.286 22.3,61.486 22.3,63.9 v1(22.7,64.3)
crx_n: J6.2 U7.3 | length 15.9
  Component Side w0.23: J6.2@57.261,16.479 55.996,17.744 55.996,18.62 56.246,18.87 56.654,18.87 57.25,19.466 57.25,24.265 56.515,25 56.515,28.125 57.595,29.205 U7.3@57.595,30.32
crx_p: J6.1 U7.1 | length 15.5
  Component Side w0.23: J6.1@54.746,21.5 54.746,20 55.496,19.25 56.496,19.25 56.87,19.624 56.87,24.108 56.135,24.843 56.135,28.125 55.055,29.205 U7.1@55.055,30.32
ctx_n: J6.4 U7.8 | length 15.8
  Component Side w0.23: J6.4@62.265,16.479 61,17.744 61,18.62 61.25,18.87 61.657,18.87 62.865,20.078 62.865,28.125 63.945,29.205 U7.8@63.945,30.32
ctx_p: J6.3 U7.6 | length 15.5
  Component Side w0.23: J6.3@59.75,21.5 59.75,20 60.5,19.25 61.5,19.25 62.485,20.235 62.485,28.125 61.405,29.205 U7.6@61.405,30.32
d0: R60.2 U9.10 U12.6 | length 14.6
  Component Side w0.25: U9.10@17.3,56.975 v1(17.3,57.9) ; R60.2@21.7,66.4 v1(22.5,66.4) 23.025,66.925 U12.6@24.475,66.925
  Bottom Layer w0.25: v1(17.3,57.9) 21.3,61.9 21.3,65.2 v1(22.5,66.4)
d1: R61.2 U9.11 U12.5 | length 16.4
  Component Side w0.25: U9.11@16.6,56.975 v1(16.6,58.8) ; R61.2@21.7,67.65 21.775,67.575 v1(22.575,67.575) U12.5@24.475,67.575
  Bottom Layer w0.25: v1(16.6,58.8) 17.421,58.8 20.8,62.179 20.8,65.8 v1(22.575,67.575)
d2: R62.2 U9.12 U12.4 | length 18.3
  Component Side w0.25: U9.12@15.9,56.975 v1(15.9,57.9) ; R62.2@21.7,68.9 v1(22.5,68.9) 23.175,68.225 U12.4@24.475,68.225
  Bottom Layer w0.25: v1(15.9,57.9) 15.9,59.055 16.445,59.6 17.514,59.6 20.3,62.386 20.3,66.7 v1(22.5,68.9)
d3: R59.2 U9.13 U12.3 | length 20.4
  Component Side w0.25: U9.13@15.2,56.975 v1(15.2,58.8) ; R59.2@21.7,70.15 v1(22.5,70.15) 23.775,68.875 U12.3@24.475,68.875
  Bottom Layer w0.25: v1(15.2,58.8) 15.2,59.6 15.7,60.1 17.307,60.1 19.8,62.593 19.8,67.45 v1(22.5,70.15)
DCDC_SW: L16.2 U17.33 | length 2.5
  Component Side w0.25: U17.33@23.05,16.85 23.75,16.85 24.25,16.35 L16.2@24.95,16.35 ; L16.2@24.7,16.85 L16.2@24.95,16.6
EINK_RTS: R108.2 U1.158 | length 120.5
  Component Side w0.2: v1(68.8,78.75) 68.8,76.786 67.95,75.936 67.95,70.936 70.65,68.236 v1(70.65,50.05)
  Component Side w0.25: v1(51.25,79.25) 51.25,80.75 U1.158@51.35,80.85 ; v1(67.5,8.75) 67.5,12 v1(68.25,12.75) ; v1(77.5,29.75) v1(77.5,39) ; v1(79.5,3) R108.2@80.3,3
  Bottom Layer w0.2: v1(51.25,79.25) 68.25,79.25 68.75,78.75 v1(68.8,78.75)
  Bottom Layer w0.25: v1(67.5,8.75) 70.705,8.75 76.455,3 77.705,3 v1(79.5,3) ; v1(68.25,12.75) 68.25,13.75 66.75,15.25 66.75,26.379 70.121,29.75 v1(77.5,29.75) ; v1(70.65,50.05) 70.675,50.075 73.761,50.075 76.5,47.336 76.5,40.707 77.5,39.707 v1(77.5,39)
EINK_TSCL: J17.6 R153.2 U18.2 | length 23.4
  Component Side w0.25: R153.2@80,11.55 79.95,11.5 79.25,11.5 79.05,11.3 79.05,9 79.165,8.885 U18.2@80.8,8.885 80.915,9 v1(82.5,9) ; v1(88,8.25) 88,9.75 88.325,10.075 v1(88.325,10.1) ; v1(94,8.25) 94.25,8.5 J17.6@94.25,9.56
  Bottom Layer w0.25: v1(82.5,9) 83.6,10.1 v1(88.325,10.1) ; v1(88,8.25) 89,7.25 93,7.25 v1(94,8.25)
EINK_TSDA: J17.7 R154.2 U18.1 | length 21.6
  Component Side w0.25: U18.1@80.8,10.155 81.5,10.155 R154.2@81.5,11.55 ; v1(87.5,11) 87.5,8.88 87.325,8.705 87.325,7.675 v1(87.75,7.25) ; v1(94.25,7.25) 94.75,7.75 J17.7@94.75,9.56
  Bottom Layer w0.25: v1(81.5,10.75) 86,10.75 86.25,11 v1(87.5,11) ; v1(87.75,7.25) 88.25,6.75 93.75,6.75 v1(94.25,7.25)
en: U9.40 U9.41 U12.9 | length 32.6
  Component Side w0.25: U9.40@17.3,45.025 v1(17.3,45.9) 17.4,45.8 18,45.8 U9.41@18,45.025 ; U12.9@24.475,64.975 24.5,65 v1(25.7,65)
  Bottom Layer w0.25: v1(17.3,45.9) 17.3,44.95 17.5,44.75 23.75,44.75 26.2,47.2 26.2,55.4 25.7,55.9 v1(25.7,65)
ETH_LEDACTLINK: D10.2 U1.77 | length 33.3
  Component Side w0.25: D10.2@51.55,32.75 v1(52.5,32.75) ; U1.77@70.55,43.65 70.55,45.3 71.25,46 v1(72,46)
  Bottom Layer w0.25: v1(52.5,32.75) 53.25,33.5 53.25,40.25 55.875,42.875 68.625,42.875 71.75,46 v1(72,46)
ETH_LEDSPEED: D9.2 U1.76 | length 29.5
  Component Side w0.25: D9.2@51.55,36.25 v1(52.5,36.25) ; U1.76@69.75,43.65 69.75,45.5 v1(70.75,46.5)
  Bottom Layer w0.25: v1(52.5,36.25) 52.5,40.207 55.668,43.375 68.418,43.375 70.75,45.707 v1(70.75,46.5)
GDR: J17.2 Q5.1 R137.1 | length 23.8
  Component Side w0.25: v1(92,8.25) 92.25,8.5 J17.2@92.25,9.56 ; v1(111,10.25) 111.95,10.25 R137.1@112,10.3 112.088,10.212 Q5.1@113.55,10.212
  Bottom Layer w0.25: v1(92,8.25) 93.175,9.425 97.468,9.425 98.293,10.25 v1(111,10.25)